# Altium PCB SeaBOX-HDMI-Stick.PcbDoc (part 2 of 2)
Units mm, origin at the board's own origin, x right, y up, seen from the top; angles counter-clockwise.
Board outline 66 x 66 mm, 4 copper layers (Top Layer, GND1, Power, Bottom), stack 1.57 mm thick; 46 components, 88 nets, 343 pads, 347 vias.
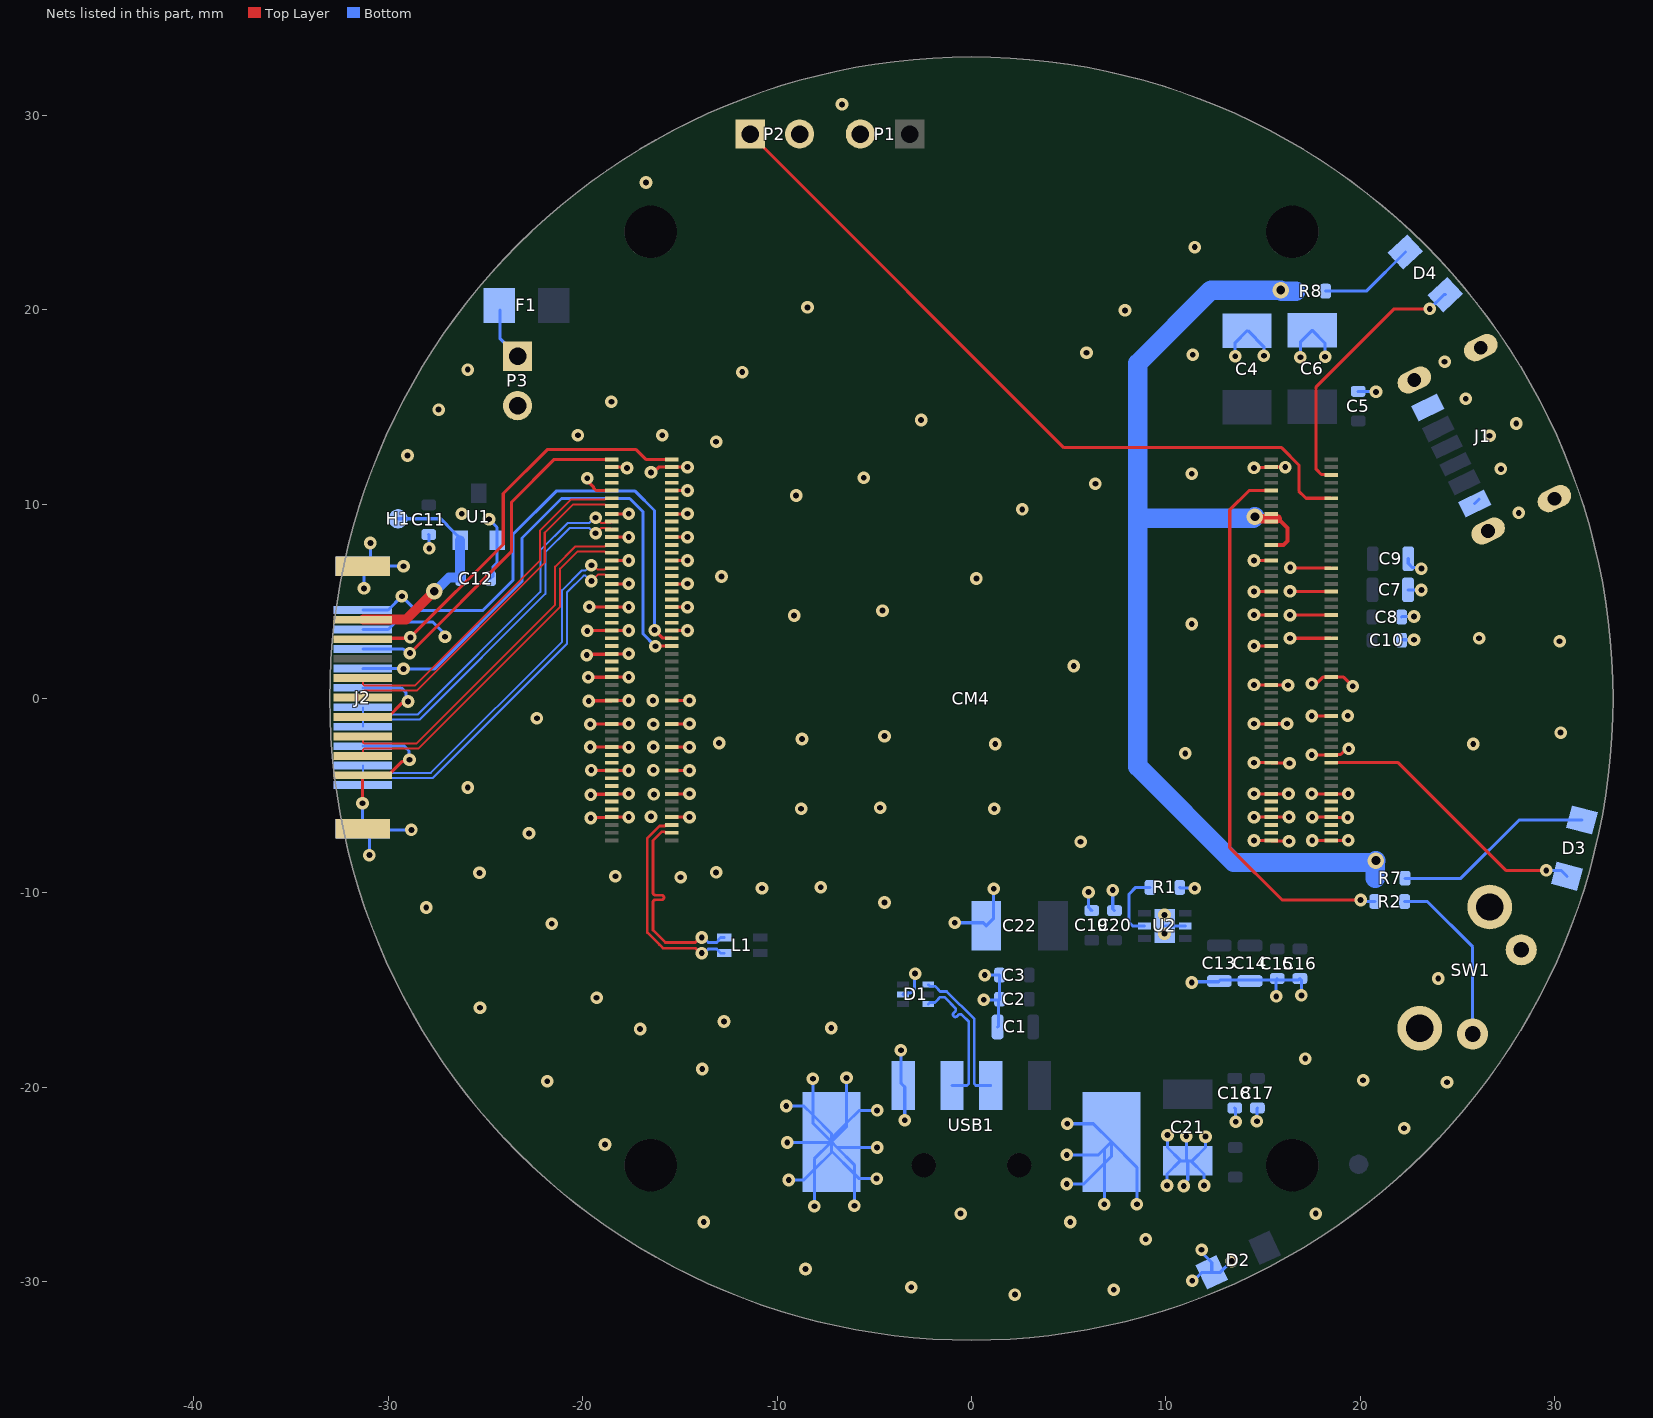
[diagram p4: the nets of this part, all layers, seen from the top]

## Via types
v1: diameter 0.65, hole 0.3, Top Layer to Bottom, tented both sides, 293 vias
v2: diameter 0.85, hole 0.45, Top Layer to Bottom, tented both sides, 54 vias

## Nets (pads, with @x,y where several pads share a name; then routed paths per layer and width w, separated by ;. In a path a pad name is that pad's centre, name@x,y a point inside that pad or via, vN(x,y) a via of type N, cw(c..) or ccw(c..) an arc to the next point about the centre after c; other vN are vias at no path point) (continued)
D_N: D1.4 USB1.D- | length 7.3
  Bottom w0.138: D1.4@-2.22,-14.715 -2.139,-14.796 -1.876,-14.796 -1.699,-14.973 -1.699,-14.989 -1.618,-15.07 -1.277,-15.07 0.145,-16.491 0.145,-19.819 0.226,-19.9 USB1.D-@1,-19.9
D_P: D1.6 USB1.D+ | length 7.3
  Bottom w0.138: D1.6@-2.22,-15.715 -2.139,-15.633 -1.876,-15.633 -1.699,-15.456 -1.699,-15.44 -1.618,-15.36 -1.397,-15.36 -1.063,-15.694 -1.014,-15.742 -0.846,-15.91 cw(c-0.944,-16.008) -0.846,-16.105 -0.913,-16.172 ccw(c-0.829,-16.256) -0.913,-16.34 ccw(c-0.829,-16.256) -0.745,-16.34 -0.678,-16.273 cw(c-0.581,-16.371) -0.483,-16.273 -0.159,-16.597 -0.145,-16.612 -0.145,-16.68 -0.145,-19.819 -0.226,-19.9 USB1.D+@-1,-19.9
DSI0_C_N: CM4.169
DSI0_C_P: CM4.171
DSI0_D0_N: CM4.157
DSI0_D0_P: CM4.159
DSI0_D1_N: CM4.163
DSI0_D1_P: CM4.165
DSI1_C_N: CM4.187
DSI1_C_P: CM4.189
DSI1_D0_N: CM4.175
DSI1_D0_P: CM4.177
DSI1_D1_N: CM4.181
DSI1_D1_P: CM4.183
DSI1_D2_N: CM4.193
DSI1_D2_P: CM4.195
DSI1_D3_N: CM4.194
DSI1_D3_P: CM4.196
FAN_5V: F1.1 P3.1 | length 2.8
  Bottom w0.159: F1.1@-24.243,19.99 -24.243,18.502 P3.1@-23.343,17.602
GND: C1.2 C2.2 C3.1 C4.2 C5.2 C6.2 C7.2 C8.2 C9.2 C10.2 C11.1 C12.1 C13.2 C14.2 C15.1 C16.1 C17.1 C18.1 C19.1 C20.1 C21.1 C22.1 CM4.1 CM4.2 CM4.7 CM4.8 CM4.13 CM4.14 CM4.22 CM4.23 CM4.32 CM4.33 CM4.42 CM4.43 CM4.52 CM4.53 CM4.59 CM4.60 CM4.65 CM4.66 CM4.71 CM4.74 CM4.98 CM4.107 CM4.108 CM4.113 CM4.114 CM4.119 CM4.120 CM4.125 CM4.126 CM4.131 CM4.132 CM4.137 CM4.138 CM4.144 CM4.150 CM4.155 CM4.156 CM4.161 CM4.162 CM4.167 CM4.168 CM4.173 CM4.174 CM4.179 CM4.180 CM4.185 CM4.186 CM4.191 CM4.192 CM4.197 CM4.198 D1.2 D2.C J1.A12 J1.B12 J1.S1 J1.S2 J1.S3 J1.S4 J2.0 J2.2 J2.5 J2.8 J2.11 J2.17 P1.2 P2.2 P3.2 R1.1 SW1.1 SW1.PE1 SW1.PE2 U1.1 U2.5 U2.7 USB1.G USB1.SH1 USB1.SH2 | length 203.4
  Top Layer w0.159: v1(-31.318,-5.385) -31.318,-3.967 J2.2@-31.3,-3.949 -30,-3.949 -29.294,-3.244 -28.999,-3.244 v1(-28.905,-3.15) ; J2.8@-31.3,-0.949 -30,-0.949 -29.297,-0.246 -29.075,-0.246 v1(-28.981,-0.152) ; v1(-19.787,2.235) -19.742,2.279 -18.521,2.279 CM4.150@-18.5,2.3 v1(-17.628,2.3) ; v1(-19.761,3.48) -19.751,3.49 -18.51,3.49 CM4.156@-18.5,3.5 v1(-17.628,3.5) ; v1(-19.761,11.328) -19.761,11.196 -19.431,10.865 -19.431,10.82 -19.311,10.7 CM4.192@-18.5,10.7 ; v1(-19.71,1.092) -19.707,1.096 -18.504,1.096 CM4.144@-18.5,1.1 v1(-17.628,1.1) ; v1(-19.685,-0.127) -19.671,-0.113 -18.513,-0.113 CM4.138@-18.5,-0.1 v1(-17.628,-0.1) ; v1(-19.66,4.724) -19.647,4.712 -18.512,4.712 CM4.162@-18.5,4.7 v1(-17.628,4.7) ; v1(-19.609,-2.489) -19.603,-2.495 -18.505,-2.495 CM4.126@-18.5,-2.5 v1(-17.628,-2.5) ; v1(-19.609,-1.321) -19.598,-1.31 -18.51,-1.31 CM4.132@-18.5,-1.3 v1(-17.628,-1.3) ; v1(-19.583,-6.147) -19.557,-6.121 -18.521,-6.121 CM4.108@-18.5,-6.1 v1(-17.628,-6.1) ; v1(-19.583,-4.953) -19.551,-4.921 -18.521,-4.921 CM4.114@-18.5,-4.9 v1(-17.628,-4.9) ; v1(-19.558,-3.683) -19.55,-3.691 -18.508,-3.691 CM4.120@-18.5,-3.7 v1(-17.628,-3.7) ; CM4.168@-18.5,5.9 v1(-17.628,5.9) ; CM4.174@-18.5,7.1 v1(-17.628,7.1) ; CM4.180@-18.5,8.3 v1(-17.628,8.3) ; CM4.186@-18.5,9.5 v1(-17.628,9.5) ; CM4.198@-18.5,11.9 -17.755,11.9 v1(-17.713,11.858) ; v1(-16.485,11.633) -16.352,11.633 -16.085,11.9 CM4.197@-15.42,11.9 v1(-14.605,11.9) ; CM4.107@-15.42,-6.1 v1(-14.503,-6.1) ; CM4.113@-15.42,-4.9 v1(-14.503,-4.9) ; CM4.119@-15.42,-3.7 v1(-14.503,-3.7) ; CM4.125@-15.42,-2.5 v1(-14.503,-2.5) ; CM4.131@-15.42,-1.3 v1(-14.503,-1.3) ; CM4.137@-15.42,-0.1 v1(-14.503,-0.1) ; CM4.155@-15.42,3.5 v1(-14.605,3.5) ; CM4.161@-15.42,4.7 v1(-14.605,4.7) ; CM4.167@-15.42,5.9 v1(-14.605,5.9) ; CM4.173@-15.42,7.1 v1(-14.605,7.1) ; CM4.179@-15.42,8.3 v1(-14.605,8.3) ; CM4.185@-15.42,9.5 v1(-14.605,9.5) ; CM4.191@-15.42,10.7 v1(-14.605,10.7) ; v1(14.529,-7.3) CM4.2@15.42,-7.3 15.44,-7.32 16.312,-7.32 v1(16.332,-7.341) ; v1(14.529,-6.1) CM4.8@15.42,-6.1 15.422,-6.098 16.33,-6.098 v1(16.332,-6.096) ; v1(14.529,-4.9) CM4.14@15.42,-4.9 15.421,-4.901 v1(16.307,-4.902) v1(16.307,-4.902) ; v1(14.529,-3.3) CM4.22@15.42,-3.3 15.434,-3.314 16.344,-3.314 v1(16.358,-3.327) ; v1(14.529,-1.3) CM4.32@15.42,-1.3 15.422,-1.298 16.228,-1.298 v1(16.231,-1.295) ; v1(14.529,0.7) CM4.42@15.42,0.7 15.427,0.693 16.274,0.693 v1(16.281,0.686) ; v1(14.529,2.7) CM4.52@15.42,2.7 ; v1(14.529,4.3) CM4.60@15.42,4.3 ; v1(14.529,5.5) CM4.66@15.42,5.5 ; v1(14.529,7.1) CM4.74@15.42,7.1 ; v1(14.529,11.862) 14.548,11.881 15.401,11.881 CM4.98@15.42,11.9 v1(16.141,11.9) ; v1(16.383,3.099) v1(16.383,3.099) CM4.53@18.5,3.1 ; v1(16.383,4.293) 16.39,4.3 CM4.59@18.5,4.3 ; v1(16.383,5.512) 16.395,5.5 CM4.65@18.5,5.5 ; v1(16.398,6.735) 16.415,6.717 18.483,6.717 CM4.71@18.5,6.7 ; v1(17.501,-4.9) CM4.13@18.5,-4.9 18.501,-4.901 v1(19.38,-4.902) v1(19.38,-4.902) ; v1(17.501,-2.9) CM4.23@18.5,-2.9 18.521,-2.879 18.984,-2.879 19.273,-2.591 v1(19.406,-2.591) ; v1(17.501,-0.9) CM4.33@18.5,-0.9 ; v1(17.501,0.762) 17.733,0.762 18.071,1.1 CM4.43@18.5,1.1 19.144,1.1 v1(19.609,0.635) ; v1(17.526,-7.3) CM4.1@18.5,-7.3 18.505,-7.295 19.375,-7.295 v1(19.38,-7.29) ; v1(17.526,-6.1) CM4.7@18.5,-6.1 18.511,-6.111 19.344,-6.111 v1(19.355,-6.121)
  Bottom w0.159: v1(-31.318,-5.385) -31.318,-6.681 J2.0@-31.3,-6.699 J2.0@-31.243,-6.756 ; J2.5@-31.3,-2.449 -29.174,-2.449 -28.929,-2.694 -28.929,-3.126 v1(-28.905,-3.15) ; J2.11@-31.3,0.551 -29.329,0.551 -29.075,0.297 -29.075,-0.058 v1(-28.981,-0.152) ; J2.17@-31.3,3.551 -30,3.551 -29.614,3.937 -27.706,3.937 -27.395,3.627 -27.076,3.308 v1(-27.076,3.175) ; v1(-31.242,5.664) -31.242,6.743 J2.0@-31.3,6.801 J2.0@-31.294,6.807 ; v1(-30.963,-8.052) -30.963,-7.037 J2.0@-31.243,-6.756 ; v1(-30.912,8.001) -30.912,7.189 J2.0@-31.294,6.807 ; v1(-29.21,6.807) J2.0@-31.294,6.807 ; v1(-28.804,-6.756) J2.0@-31.243,-6.756 ; C11.1@-27.915,8.433 -27.889,8.407 v1(-27.889,7.722) ; v1(-24.816,9.22) -24.399,8.804 U1.1@-24.399,8.147 -24.399,6.995 -24.603,6.792 -24.603,6.309 C12.1@-24.74,6.172 ; v1(-9.525,-20.955) -8.621,-20.955 USB1.SH2@-8.153,-21.422 ; v1(-9.474,-22.835) USB1.SH2@-7.235,-22.835 ; v1(-9.398,-24.765) -8.621,-24.765 USB1.SH2@-8.077,-24.222 ; v1(-8.153,-19.558) USB1.SH2@-8.153,-21.422 ; v1(-8.077,-26.111) USB1.SH2@-8.077,-24.222 ; v1(-6.426,-19.507) USB1.SH2@-6.426,-21.83 ; v1(-6.02,-26.086) USB1.SH2@-6.02,-24.448 ; v1(-4.877,-24.689) -5.779,-24.689 USB1.SH2@-6.02,-24.448 ; v1(-4.851,-23.089) USB1.SH2@-6.911,-23.089 ; v1(-4.851,-21.184) -5.779,-21.184 USB1.SH2@-6.426,-21.83 ; v1(-3.632,-18.085) -3.632,-19.768 USB1.G@-3.5,-19.9 -3.429,-19.971 v1(-3.429,-21.692) ; D1.2@-3.52,-15.215 -3.45,-15.144 -3.13,-15.144 -2.921,-14.935 -2.921,-14.199 -2.896,-14.173 v1(-2.896,-14.148) ; v1(-0.864,-11.532) 0.61,-11.532 C22.1@0.762,-11.684 1.143,-11.303 v1(1.143,-9.779) ; v1(0.635,-15.494) C2.2@1.422,-15.494 ; v1@0.678,-14.229 0.683,-14.224 v1(0.686,-14.224) C3.1@1.448,-14.224 C2.2@1.448,-15.469 C2.2@1.422,-15.494 ; C1.2@1.346,-16.891 1.397,-16.84 1.397,-15.519 C2.2@1.422,-15.494 ; v1(4.902,-24.968) 5.779,-24.968 USB1.SH1@6.833,-23.915 ; v1(4.902,-23.47) 6.53,-23.47 USB1.SH1@6.833,-23.167 ; v1(4.928,-21.869) 6.269,-21.869 USB1.SH1@7.2,-22.8 ; v1(6.02,-9.957) 6.023,-9.96 6.023,-10.742 C19.1@6.189,-10.907 ; v1(6.833,-26.01) USB1.SH1@6.833,-23.915 ; v1(7.264,-9.855) 7.264,-10.814 C20.1@7.357,-10.907 ; v1(8.509,-26.01) 8.509,-24.109 USB1.SH1@7.2,-22.8 ; U2.7@9.948,-11.694 U2.5@10.998,-11.694 ; v1(10.058,-25.044) 10.058,-24.457 10.741,-23.774 C21.1@10.766,-23.774 ; v1(10.084,-22.454) 10.084,-23.092 C21.1@10.766,-23.774 ; R1.1@10.71,-9.713 10.751,-9.754 v1(11.481,-9.754) ; v1(10.922,-25.07) 10.922,-24.953 11.125,-24.75 C21.1@11.125,-23.774 ; v1(11.049,-22.504) 11.049,-23.698 C21.1@11.125,-23.774 ; v1(11.328,-14.605) 11.367,-14.567 12.713,-14.567 C13.2@12.751,-14.529 12.814,-14.465 C15.1@15.672,-14.465 ; v1(11.354,-29.947) 11.427,-29.947 11.86,-29.514 D2.C@12.356,-29.514 ; v1(11.836,-28.346) 11.93,-28.44 11.93,-28.579 12.356,-29.005 D2.C@12.356,-29.514 ; v1(11.963,-25.044) 11.963,-24.457 C21.1@11.281,-23.774 ; v1(12.04,-22.53) 12.04,-23.092 11.357,-23.774 C21.1@11.281,-23.774 ; v1(13.386,-28.931) 13.378,-28.931 12.795,-29.514 D2.C@12.356,-29.514 ; C18.1@13.538,-21.057 13.589,-21.107 v1(13.589,-21.768) ; v1(13.564,17.602) 13.564,18.301 C4.2@14.173,18.91 14.227,18.91 15.037,18.101 v1(15.037,17.628) ; v1(14.681,-21.742) 14.681,-21.082 C17.1@14.707,-21.057 ; v1(15.672,-15.316) C15.1@15.672,-14.465 ; C15.1@15.723,-14.402 15.672,-14.453 C15.1@15.672,-14.465 ; v1(16.916,17.551) 16.916,18.326 C6.2@17.526,18.936 18.186,18.275 v1(18.186,17.577) ; v1(16.967,-15.265) 16.967,-14.478 C16.1@16.891,-14.402 16.828,-14.465 C15.1@15.672,-14.465 ; C5.2@19.888,15.799 19.901,15.786 20.79,15.786 v1(20.803,15.773) ; C10.2@22.123,2.997 22.149,3.023 v1(22.758,3.023) ; C8.2@22.123,4.191 22.149,4.216 v1(22.758,4.216) ; C7.2@22.454,5.588 23.136,5.588 v1(23.14,5.583) ; C9.2@22.466,7.188 22.466,6.952 22.686,6.733 23.087,6.733 v1(23.139,6.68) ; J1.A12@25.88,10.027 J1.A12@26.104,10.251 ; USB1.SH2@-8.153,-21.422 -8.153,-21.847 USB1.SH2@-7.2,-22.8 ; USB1.SH2@-8.153,-21.422 -7.2,-22.376 USB1.SH2@-7.2,-22.604 ; USB1.SH2@-8.077,-24.222 -7.2,-23.344 USB1.SH2@-7.2,-23.268 ; USB1.SH2@-8.077,-24.222 -8.077,-23.677 USB1.SH2@-7.235,-22.835 ; USB1.SH2@-7.235,-22.835 USB1.SH2@-7.2,-22.8 ; USB1.SH2@-7.2,-23.268 USB1.SH2@-6.02,-24.448 ; USB1.SH2@-7.2,-23.268 USB1.SH2@-7.2,-22.8 ; USB1.SH2@-7.2,-22.8 USB1.SH2@-7.2,-22.604 ; USB1.SH2@-7.2,-22.8 USB1.SH2@-6.911,-23.089 ; USB1.SH2@-7.2,-22.8 -6.426,-22.026 USB1.SH2@-6.426,-21.83 ; USB1.SH2@-7.2,-22.604 USB1.SH2@-6.426,-21.83 ; USB1.SH2@-6.911,-23.089 -6.02,-23.98 USB1.SH2@-6.02,-24.448 ; USB1.SH1@6.833,-23.915 7.2,-23.548 USB1.SH1@7.2,-22.8 ; USB1.SH1@6.833,-23.915 USB1.SH1@6.833,-23.167 ; USB1.SH1@6.833,-23.167 USB1.SH1@7.2,-22.8 ; C21.1@10.766,-23.774 C21.1@11.125,-23.774 ; C21.1@11.125,-23.774 C21.1@11.281,-23.774
  other v1: 2.235,-30.658 7.315,-30.404 -3.099,-30.277 -8.534,-29.337 8.966,-27.813 -13.767,-26.924 5.08,-26.924 -0.559,-26.492 17.704,-26.492 -18.847,-22.936 22.25,-22.098 24.46,-19.736 -21.819,-19.685 20.142,-19.634 -13.843,-19.05 17.17,-18.517 -17.043,-16.993 -7.214,-16.942 -12.725,-16.612 -25.273,-15.9 -19.279,-15.392 24.003,-14.402 9.931,-12.09 -21.59,-11.582 9.931,-11.125 -28.042,-10.744 -4.47,-10.49 -10.77,-9.754 -7.747,-9.703 -14.961,-9.195 -18.313,-9.144 -25.298,-8.966 -13.132,-8.941 5.613,-7.366 -22.758,-6.934 -16.485,-6.071 -8.763,-5.664 1.168,-5.664 -4.699,-5.613 -16.332,-4.928 -25.908,-4.572 -16.358,-3.683 10.998,-2.819 -16.358,-2.489 1.219,-2.337 25.806,-2.337 -12.979,-2.286 -8.712,-2.083 -4.47,-1.93 30.302,-1.753 -16.358,-1.321 -22.352,-1.016 19.355,-0.889 -16.383,-0.102 5.258,1.676 30.251,2.946 26.111,3.099 11.328,3.835 -9.119,4.267 -4.572,4.521 0.254,6.172 -12.852,6.274 -26.213,9.5 28.143,9.55 2.616,9.728 -9.017,10.439 6.375,11.049 -5.537,11.354 11.328,11.557 27.229,11.811 -29.007,12.497 -13.132,13.208 26.645,13.513 -20.244,13.538 -15.9,13.538 28.016,14.148 -2.591,14.326 -27.407,14.859 -18.517,15.265 25.425,15.418 -11.786,16.789 -25.908,16.916 24.333,17.323 11.379,17.678 5.918,17.78 7.899,19.964 -8.433,20.117 11.481,23.216 -16.739,26.543 -6.655,30.556
GPIO_VRef_3V3: CM4.78 CM4.84 CM4.86 R7.2 R8.2 | length 55.3
  Top Layer w0.2: CM4.78@15.42,7.9 16.053,7.9 16.256,8.103 16.256,8.763 15.769,9.25 15.723,9.25
  Top Layer w0.5: v2(14.58,9.347) 14.674,9.347 14.772,9.25 15.723,9.25
  Bottom w0.5: 8.56,9.271 8.636,9.347
  Bottom w1: v2(14.58,9.347) 14.503,9.271 8.56,9.271 ; R8.2@16.688,20.955 15.951,20.955 v2(15.9,21.006) 12.319,21.006 8.56,17.247 8.56,9.271 ; R7.2@20.777,-9.246 v2@20.777,-8.357 ; v2(20.803,-8.331) v2@20.777,-8.357 ; 8.56,9.271 8.56,-3.505 13.487,-8.433 20.701,-8.433 v2@20.777,-8.357
H5V: C12.2 H1.1 J2.18 U1.2 | length 13.5
  Top Layer w0.5: J2.18@-31.281,4.07 -29.077,4.07 v2(-27.635,5.512)
  Bottom w0.16: H1.1@-29.489,9.246 -27.298,9.246 -26.619,8.567 -26.299,8.247 U1.2@-26.299,8.147 -26.264,8.112 -26.264,6.274 -26.264,6.194 C12.2@-26.264,6.172
  Bottom w0.5: v2(-27.635,5.512) -27.584,5.512 -26.873,6.223 -26.293,6.223 C12.2@-26.264,6.194 ; U1.2@-26.299,8.147 -26.299,6.309 C12.2@-26.264,6.274
HDMI0_CEC: CM4.151 J2.13 | length 27.6
  Top Layer w0.159: v1(-16.256,2.691) -16.256,2.692 -16.252,2.696 -15.424,2.696 CM4.151@-15.42,2.7
  Bottom w0.159: J2.13@-31.3,1.551 -31.287,1.537 v1@-29.223,1.537 ; v1(-29.21,1.524) -27.61,1.524 -23.114,6.02 -23.114,8.255 -21.082,10.287 -17.577,10.287 -16.885,9.595 -16.885,3.32 v1(-16.256,2.691)
HDMI0_CLK_N: CM4.190 J2.12 | length 18
  Top Layer w0.104: J2.12@-31.3,1.051 -31.3,0.74 -31.239,0.679 -28.614,0.679 -22.202,7.091 -22.202,8.634 -20.607,10.228 -18.859,10.228 -18.835,10.252 -18.548,10.252 CM4.190@-18.5,10.3
HDMI0_CLK_P: CM4.188 J2.10 | length 18
  Top Layer w0.104: J2.10@-31.3,0.051 -31.3,0.362 -31.239,0.423 -28.508,0.423 -21.946,6.985 -21.946,8.527 -20.501,9.972 -18.859,9.972 -18.835,9.948 -18.548,9.948 CM4.188@-18.5,9.9
HDMI0_HPD_5V: CM4.153 J2.19 | length 27.1
  Top Layer w0.159: v1(-16.298,3.52) -15.883,3.106 -15.426,3.106 CM4.153@-15.42,3.1
  Bottom w0.159: J2.19@-31.3,4.551 -30,4.551 v1(-29.293,5.258) -28.556,4.521 -25.146,4.521 -23.571,6.096 -23.571,8.458 -21.361,10.668 -17.297,10.668 -16.298,9.668 v1(-16.298,3.52)
HDMI0_SCL: CM4.200 J2.15 | length 18.5
  Top Layer w0.159: v1(-28.88,2.337) -23.647,7.569 -23.647,10.109 -21.457,12.3 CM4.200@-18.5,12.3
  Bottom w0.159: J2.15@-31.3,2.551 -29.227,2.551 -29.013,2.337 v1(-28.88,2.337)
HDMI0_SDA: CM4.199 J2.16 | length 21.7
  Top Layer w0.159: J2.16@-31.3,3.051 -31.252,3.098 -28.906,3.098 v1(-28.859,3.146) -24.079,7.926 -24.079,10.541 -21.819,12.802 -17.247,12.802 -16.745,12.3 CM4.199@-15.42,12.3
HDMI0_TX0_N: CM4.184 J2.9 | length 18.7
  Top Layer w0.104: v1(-19.329,9.301) -19.323,9.301 -19.05,9.028 -18.872,9.028 -18.848,9.052 -18.548,9.052 CM4.184@-18.5,9.1
  Bottom w0.104: J2.9@-31.3,-0.449 -31.3,-0.76 -31.239,-0.821 -28.482,-0.821 -22.174,5.486 -22.174,7.625 -20.771,9.028 -19.65,9.028 -19.377,9.301 v1(-19.329,9.301)
HDMI0_TX0_P: CM4.182 J2.7 | length 18.7
  Top Layer w0.104: v1(-19.327,8.499) -19.323,8.499 -19.05,8.772 -18.872,8.772 -18.848,8.748 -18.548,8.748 CM4.182@-18.5,8.7
  Bottom w0.104: J2.7@-31.3,-1.449 -31.3,-1.138 -31.239,-1.077 -28.375,-1.077 -21.918,5.38 -21.918,7.518 -20.665,8.771 -19.649,8.771 -19.376,8.499 v1(-19.327,8.499)
HDMI0_TX1_N: CM4.178 J2.6 | length 18.5
  Top Layer w0.104: J2.6@-31.3,-1.949 -31.3,-2.26 -31.239,-2.321 -28.55,-2.321 -21.409,4.819 -21.409,6.784 -20.365,7.828 -18.859,7.828 -18.835,7.852 -18.548,7.852 CM4.178@-18.5,7.9
HDMI0_TX1_P: CM4.176 J2.4 | length 18.5
  Top Layer w0.104: J2.4@-31.3,-2.949 -31.3,-2.638 -31.239,-2.577 -28.443,-2.577 -21.153,4.713 -21.153,6.678 -20.259,7.572 -18.859,7.572 -18.835,7.548 -18.548,7.548 CM4.176@-18.5,7.5
HDMI0_TX2_N: CM4.172 J2.3 | length 19.2
  Top Layer w0.104: v1(-19.545,6.858) -19.441,6.858 -19.211,6.628 -18.99,6.628 -18.859,6.628 -18.835,6.652 -18.548,6.652 CM4.172@-18.5,6.7
  Bottom w0.104: J2.3@-31.3,-3.449 -31.3,-3.76 -31.239,-3.821 -27.799,-3.821 -21.057,2.921 -21.057,5.577 -20.054,6.58 -19.861,6.58 -19.583,6.858 v1(-19.545,6.858)
HDMI0_TX2_P: CM4.170 J2.1 | length 19.3
  Top Layer w0.104: v1(-19.546,6.045) -19.219,6.372 -18.859,6.372 -18.835,6.348 -18.548,6.348 CM4.170@-18.5,6.3
  Bottom w0.104: J2.1@-31.3,-4.449 -31.3,-4.138 -31.239,-4.077 -27.692,-4.077 -20.8,2.815 -20.8,5.471 -19.948,6.323 -19.862,6.323 -19.583,6.045 v1(-19.546,6.045)
HDMI1_CLK_N: CM4.166
HDMI1_CLK_P: CM4.164
HDMI1_TX0_N: CM4.160
HDMI1_TX0_P: CM4.158
HDMI1_TX1_N: CM4.154
HDMI1_TX1_P: CM4.152
HDMI1_TX2_N: CM4.148
HDMI1_TX2_P: CM4.146
LED_Active: CM4.21 D3.C | length 14.5
  Top Layer w0.159: CM4.21@18.5,-3.3 21.944,-3.3 27.483,-8.839 v1(29.566,-8.839)
  Bottom w0.159: v1(29.566,-8.839) 30.319,-8.839 D3.C@30.625,-9.145
LED_PWR: CM4.95 D4.C | length 13.7
  Top Layer w0.159: CM4.95@18.5,11.5 18.479,11.521 17.994,11.521 17.729,11.786 17.729,16.027 21.742,20.041 v1(23.571,20.041)
  Bottom w0.159: v1(23.571,20.041) 24.303,20.772 D4.C@24.366,20.772
NetD3_A: D3.A R7.1 | length 10.3
  Bottom w0.159: R7.1@22.301,-9.246 25.171,-9.246 28.17,-6.247 D3.A@31.402,-6.247
NetD4_A: D4.A R8.1 | length 4.9
  Bottom w0.159: R8.1@18.212,20.955 20.308,20.955 D4.A@22.32,22.967
NetR1_2: R1.2 U2.2 | length 3.5
  Bottom w0.159: U2.2@8.898,-11.694 8.291,-11.694 8.103,-11.506 8.103,-10.058 8.448,-9.713 R1.2@9.186,-9.713
NetR2_2: R2.2 SW1.2 | length 8.9
  Bottom w0.159: R2.2@22.276,-10.439 23.444,-10.439 25.776,-12.771 SW1.2@25.776,-17.253
PCIE_CLK_N: CM4.112
PCIE_CLK_P: CM4.110
PCIE_RX_N: CM4.118
PCIE_RX_P: CM4.116
PCIE_TX_N: CM4.124
PCIE_TX_P: CM4.122
RESET: CM4.92 R2.1 | length 28.5
  Top Layer w0.159: CM4.92@15.42,10.7 14.281,10.7 13.284,9.703 13.284,-7.671 15.977,-10.363 v1(20.015,-10.363)
  Bottom w0.159: v1(20.015,-10.363) 20.091,-10.439 R2.1@20.752,-10.439
TRD0_N: CM4.10
TRD0_P: CM4.12
TRD1_N: CM4.6
TRD1_P: CM4.4
TRD2_N: CM4.9
TRD2_P: CM4.11
TRD3_N: CM4.5
TRD3_P: CM4.3
USB2_N: CM4.103 L1.2 | length 11
  Top Layer w0.138: CM4.103@-15.42,-6.9 -15.451,-6.869 -15.758,-6.869 -15.782,-6.845 -15.926,-6.845 -16.383,-7.302 -16.383,-8.865 -16.383,-9.975 ccw(c-16.245,-9.975) -16.245,-10.113 -15.929,-10.113 cw(c-15.929,-10.232) -15.929,-10.351 -16.245,-10.351 ccw(c-16.245,-10.488) -16.383,-10.488 -16.383,-10.795 -16.383,-11.913 -15.747,-12.549 -14.205,-12.549 -13.949,-12.292 v1(-13.868,-12.292)
  Bottom w0.138: v1(-13.868,-12.292) -13.787,-12.292 -13.532,-12.548 -13.108,-12.548 -13.027,-12.467 -13.027,-12.425 -12.896,-12.294 L1.2@-12.721,-12.294
USB2_P: CM4.105 L1.1 | length 11
  Top Layer w0.138: CM4.105@-15.42,-6.5 -15.451,-6.531 -15.758,-6.531 -15.782,-6.555 -16.046,-6.555 -16.673,-7.182 -16.673,-12.033 -16.055,-12.651 -15.867,-12.839 -14.205,-12.839 -13.949,-13.095 v1(-13.868,-13.095)
  Bottom w0.138: v1(-13.868,-13.095) -13.749,-13.095 -13.532,-12.878 -13.108,-12.878 -13.027,-12.958 -13.027,-12.962 -12.896,-13.094 L1.1@-12.721,-13.094
"WiFi OFF": CM4.89 P2.1 | length 38.4
  Top Layer w0.159: P2.1@-11.379,29.032 4.75,12.903 15.951,12.903 16.84,12.014 16.84,10.668 17.146,10.363 17.208,10.3 CM4.89@18.5,10.3
pads on no net: CM4.0 CM4.15 CM4.16 CM4.17 CM4.18 CM4.19 CM4.20 CM4.24 CM4.25 CM4.26 CM4.27 CM4.28 CM4.29 CM4.30 CM4.31 CM4.34 CM4.35 CM4.36 CM4.37 CM4.38 CM4.39 CM4.40 CM4.41 CM4.44 CM4.45 CM4.46 CM4.47 CM4.48 CM4.49 CM4.50 CM4.51 CM4.54 CM4.55 CM4.56 CM4.57 CM4.58 CM4.61 CM4.62 CM4.63 CM4.64 CM4.67 CM4.68 CM4.69 CM4.70 CM4.72 CM4.73 CM4.75 CM4.76 CM4.80 CM4.82 CM4.88 CM4.90 CM4.93 CM4.94 CM4.96 CM4.97 CM4.99 CM4.100 CM4.101 CM4.102 CM4.104 CM4.106 CM4.109 CM4.111 CM4.143 CM4.145 CM4.147 CM4.149 J1.A5 J1.B5 J2.14 U2.3 USB1.7 USB1.8

## Polygon pours and split planes (outlines as drawn)
5V on Power "NONET_L03_P003" (solid, remove dead copper, shelved, pour order 3): -25.502,20.65 24.282,-22.581 ccw(c0.21,-0.021)
GND on Power "NONET_L03_P005" (solid, remove dead copper, shelved, pour order 5): -26.822,18.898 ccw(c0.406,0.264) 21.666,-24.968
GND on Top Layer "NONET_L01_P000" (solid, remove dead copper, shelved, pour order 0): 0,-32.791 cw(c0,-0.025) -32.766,-0.025 cw(c0,-0.025) 0,32.741 cw(c0,-0.025) 32.766,-0.025 cw(c0,-0.025)
GND on Bottom "NONET_L04_P001" (solid, remove dead copper, shelved, pour order 1): 0.025,-32.41 cw(c0.025,0.356) -32.741,0.356 cw(c0.025,0.356) 0.025,33.122 cw(c0.025,0.356) 32.791,0.356 cw(c0.025,0.356)
GND on GND1 (split plane): 254 vertices, not listed, extent -32.492,-32.492 32.492,32.456

## Keep-outs
Keep-Out Layer:
  lines w0.25: -33,0 cw(c0,0) 0,33 cw(c0,0) 33,0 cw(c0,0) 0,-33 cw(c0,0) -33,0
  lines w0.254: 32.898,0.102 cw(c-0.102,0.102) 32.898,0.152

## Other copper
Top Layer:
  rectangle net 5V: 18.5,7.899 19.736,9.9
  pour cut-out: 9.576,33 9.576,20.915 -1.449,20.915 -1.449,29.614 -1.449,33
  region net GND: -31.902,5.309 -31.852,5.258 -30.048,5.258 -29.083,6.223 -27.178,6.223 -26.721,6.68 -26.797,6.756 -26.797,8.687 -27.534,9.423 -31.496,9.423 -31.674,9.246 -31.674,8.712 -31.902,8.484
  region net GND: -31.309,-3.958 -25.629,-3.962 -25.629,-8.382 -26.899,-9.652 -31.496,-9.652 -31.496,-7.925 -32.283,-7.137 -32.283,-5.664 -32.283,-5.461 -32.41,-5.283 -32.41,-3.988
  pour cut-out: -31.318,10.465 -28.143,10.465 -24.663,13.945 -24.663,14.351 -12.903,14.351 -11.989,13.437 -11.989,-14.376 -12.598,-14.986 -12.802,-14.783 -17.399,-14.783 -17.399,-14.605 -19.456,-12.548 -19.456,-8.966 -19.634,-8.966 -21.285,-7.315 -21.082,-7.112 -21.082,0.254 -22.301,0.254 -22.606,0.559 -27.635,-4.47 -27.635,-8.255 -28.753,-9.373 -31.826,-9.373 -31.826,10.16 -31.318,10.668
  region net 5V: 19.609,8.636 19.634,8.611 19.634,2.184 21.641,2.184 22.022,2.565 22.022,7.061 22.2,7.061 22.454,7.315 24.841,7.315 25.324,7.798 25.298,7.823 25.298,13.894 24.765,14.427 19.812,14.427 19.355,13.97 19.355,8.56 19.533,8.56
Power:
  pour cut-out: 9.373,33 9.373,20.879 -1.652,20.879 -1.652,29.578 -1.652,33
Bottom:
  rectangle net 5V: -21.92,18.669 -21.006,20.168
  rectangle net 5V: -22.835,19.431 -20.98,21.361
  rectangle net FAN_5V: -24.282,16.815 -22.555,18.771
  rectangle net FAN_5V: -24.536,16.815 -23.546,20.218
  rectangle net 5V: 10.008,15.062 13.005,16.383
  rectangle net 5V: 10.668,-13.792 17.628,-12.167
  rectangle net 5V_USB: 2.464,-20.396 4.572,-11.252
  rectangle net 5V_USB: 3.277,-19.837 14.986,-17.907
  rectangle net 5V: 10.008,13.462 17.704,15.545
  region net GND: -31.928,8.382 -29.616,8.357 -28.346,7.163 -28.346,6.248 -28.829,5.842 -29.667,5.817 -30.124,5.182 -32.029,5.207 -31.928,8.357
  pour cut-out: 24.543,14.784 24.759,14.883 26.651,11.076 26.092,10.796 24.233,14.613
  pour cut-out: 9.45,33 9.45,21.027 -1.575,21.027 -1.575,29.727 -1.575,33
  region net GND: -32.36,-5.182 -27.457,-5.182 -26.416,-6.223 -26.416,-10.033 -27.61,-11.227 -30.886,-11.227 -31.14,-10.973 -31.14,-8.814 -32.055,-7.899 -32.055,-6.528 -32.36,-6.223
  pour cut-out: -14.808,-10.693 -14.732,-10.77 -5.969,-10.77 -3.759,-12.979 -0.025,-12.979 -0.025,-13.03 2.464,-15.519 2.464,-22.225 -2.007,-22.225 -2.007,-18.212 -8.28,-15.037 -8.331,-15.088 -14.351,-15.088 -14.986,-14.453 -14.707,-14.173 -14.707,-10.744
  pour cut-out: -30.709,11.76 -15.824,11.76 -15.24,11.176 -15.24,1.803 -18.313,1.803 -27.407,-7.29 -31.953,-7.29 -31.953,10.693 -30.836,11.811
  region net 5V: 17.323,-13.589 17.932,-14.199 17.932,-14.351 21.488,-14.351 21.946,-13.894 21.946,-11.405 21.717,-11.176 17.983,-11.176 17.704,-10.897 14.834,-10.897 14.656,-11.074 14.732,-11.151 14.732,-13.462 17.221,-13.462 17.348,-13.589
  region net 5V_USB: 8.898,-12.344 8.89,-12.353 8.89,-13.818 10.617,-15.545 14.326,-15.545 15.011,-16.231 14.961,-16.281 14.961,-18.542 4.14,-18.542 4.115,-18.567 4.039,-18.491 4.039,-12.878 4.826,-12.09 8.839,-12.09 8.839,-12.285
  region net GND: 23.063,17.018 24.079,15.037 22.987,14.554 22.073,16.586 23.038,17.018
  region net GND: 26.314,10.389 27.33,8.407 26.238,7.925 25.324,9.957 26.289,10.389
  region net 5V: 24.008,13.865 23.979,13.894 22.073,13.894 21.133,14.783 21.031,14.783 17.551,14.783 16.875,14.107 16.875,1.575 20.955,1.575 21.412,2.032 21.412,7.747 21.895,8.23 23.52,8.23 24.409,9.119 24.232,10.566 23.622,11.328 23.673,11.379 23.406,12.027 22.962,12.802 22.962,13.056 23.199,13.056
GND1 (plane layer: these items are gaps in the copper):
  pour cut-out: 9.526,33 9.526,20.955 -1.499,20.955 -1.499,29.654 -1.499,33

## Silkscreen, mask and mechanical layers (free items; w line width, h text height)
Top Overlay:
  text "OFF" at -8.331,30.632 h1
  text "QWA-53" at 1.499,28.88 h1
  text "WiFi" at -11.633,26.187 h1
  text "BT" at -5.512,26.137 h1
  text "+5V" at -24.816,19.304 h1
  text "+" at -26.746,18.872 h2 r270
  text "G" at -21.209,14.605 h1
  text "-" at -26.492,13.614 h2
  text "FAN" at -24.511,12.497 h1
  text "www.qwavesys.com" at 8.636,10.439 h1 r270
  text "SeaBOX - HDMI Stick" at -23.063,7.925 h1 r270
  text "Q-Wave Systems" at 24.613,6.452 h1 r270
  text "QWA-53" at 30.615,2.841 h1 r270
  text "2020" at 22.606,1.727 h1 r270
  text "HDMI" at -27.254,-4.572 h1 r270
  text "Q-Wave Systems" at -29.312,-13.538 h1 r305
Bottom Overlay:
  text "OFF" at -5.994,30.607 h1
  text "BT" at -3.962,26.111 h1
  text "WiFi" at -8.382,26.06 h1
  text "PWR" at 21.006,21.869 h1 r135
  text "PWR IN" at 21.692,14.148 h1 r115
  text "+5V" at 27.762,7.722 h1 r115
  text "QWA-53" at -1.753,-1.27 h1 r270
  text "ACT" at 29.845,-5.918 h1 r75
  text "SeaBOX - HDMI Stick" at 0.864,-7.417 h1 r270
  text "HDMI" at -27.356,-7.925 h1 r270
  text "RESET" at 24.994,-11.151 h1 r60
  text "Q-Wave Systems" at -21.311,-24.359 h1 r305
  text "+5V" at 14.453,-27 h1 r25
  text "USB" at 11.227,-30.378 h1 r25
  text "USB 2.0" at -8.179,-31.293 h1 r340
Mechanical 1:
  circle w0.254: c0.015,-0.049 r33
Mechanical 4:
  lines w0.02: -41.402,0 0,0 38.862,0
Mechanical 15:
  circle w0.254: c0,0 r33

## Text inside footprints (layer, text, board x,y; h text height)
CM4: Top Overlay "CPU" at -4.246,-3.154 h1 r270; Top Overlay "RAM" at -3.546,-18.954 h1 r270; Top Overlay "PWR" at -8.602,21.761 h1 r270; Mechanical 4 "DSI0" at -16.9,6.949 h0.7 r270; Mechanical 4 "GPIO" at 16.5,0.625 h0.7 r270; Mechanical 4 "5V" at 17,9.9 h0.7 r270; Mechanical 4 "CAM1" at -16.9,0.749 h0.7 r270; Mechanical 4 "1V8" at 15.8,11.225 h0.7 r270; Mechanical 4 "3V3" at 15.8,8.625 h0.7 r270; Mechanical 4 "SD" at 16.4,6.991 h0.7 r270; Mechanical 4 "HDMI1" at -18.1,5.958 h0.7 r270; Mechanical 4 "PCIe" at -18,-3.051 h0.7 r270; Mechanical 4 "USB" at -16.9,-4.134 h0.7 r270; Mechanical 4 "DS1" at -17.5,13.049 h0.7 r270; Mechanical 4 "HDMI0" at -18,10.374 h0.7 r270; Mechanical 4 "Wireless / Cutout" at -0.932,23.1 h0.9; Mechanical 4 "CAM0" at -18,0.783 h0.7 r270; Mechanical 4 "ETH" at 16.5,-4.751 h0.7 r270; Mechanical 4 "TV" at -17,-2.751 h0.7 r270
USB1: Bottom Overlay "GND" at -3.556,-21.968 h1.02 r90; Bottom Overlay "D+" at -0.508,-21.968 h1.02 r90; Bottom Overlay "D-" at 1.524,-21.968 h1.02 r90; Bottom Overlay "VCC" at 4.572,-21.968 h1.02 r90